# Altium PCB FlightControl.PcbDoc (part 1 of 4) (continued)
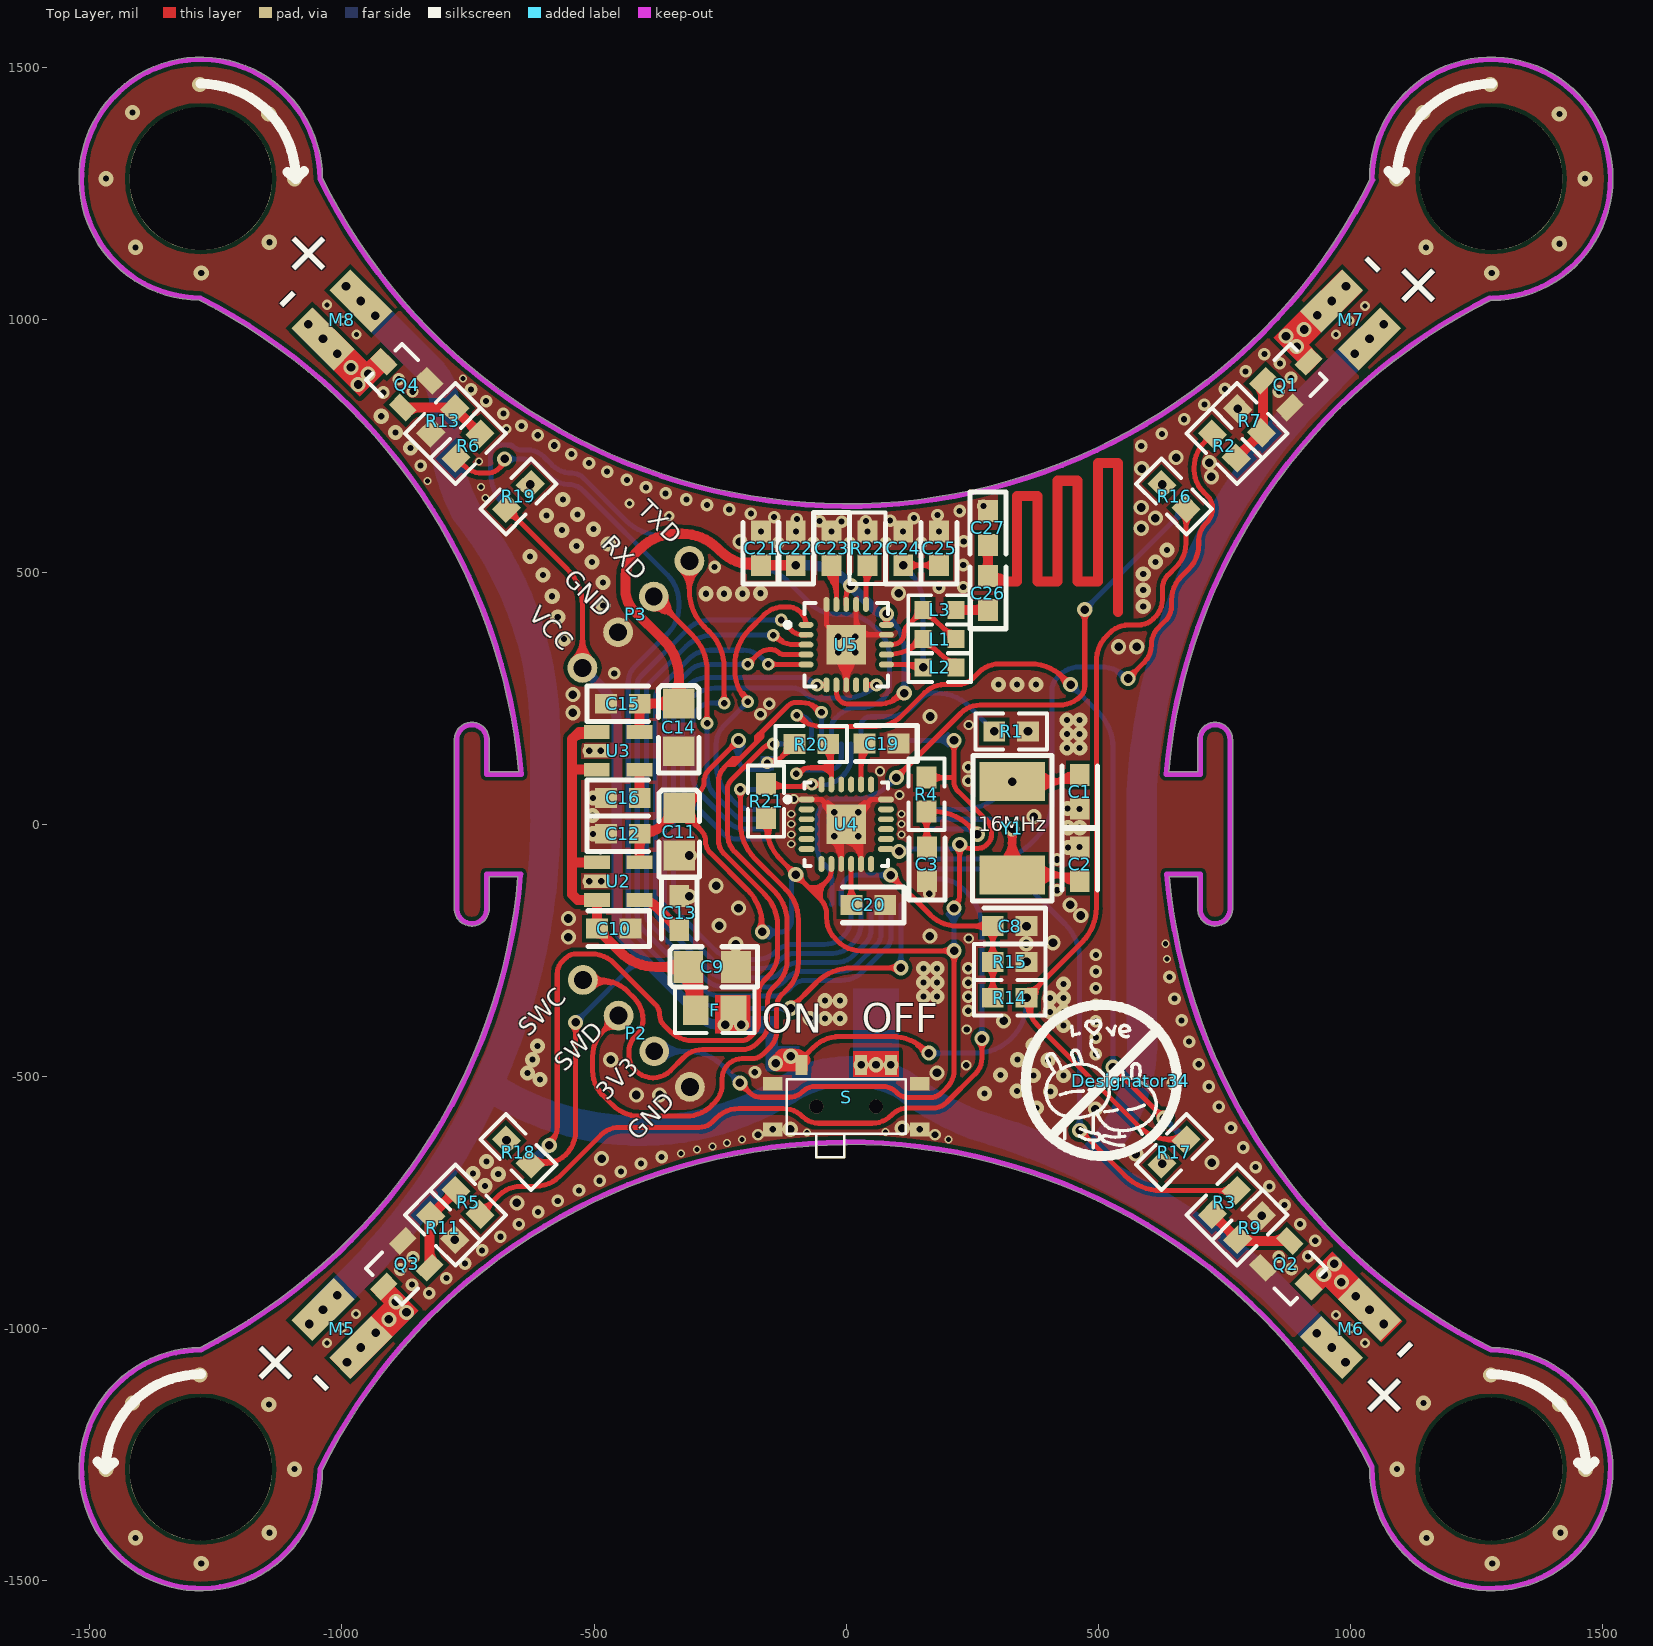
[diagram p0: Top Layer view]
## Footprints (in the part's own frame and the unit in brackets; to place one, negate y for a bottom-side part, rotate by r counter-clockwise, add the part's x,y. Pads: shape width x height; smd on the part's side, far side on the other; paste and mask are expansions set on the pad) (continued)
  silkscreen extent -2.29,-1.02 2.11,1.02, body extent -1.6,-0.8 1.6,0.8, height 1.6
TAN-B-3528 [mm]
  rect 1.5x3 smd: 1(-1.35,0) 2(1.35,0)
TAN-C-6032 [mm]
  rect 1.95x3.3 smd: 1(-2.35,0) 2(2.35,0)
  silkscreen extent -3.68,-2.01 3.66,2
TUSIJI_2 [mil] "TSJ"
  silkscreen extent -168,-155 182,205
TUSIJI_24 [mil] "TSJ"
  silkscreen extent -208,-149 92,151

## Part data
C1 C2 C3 C8 C10 C12 C15 C16 C17 C19 C20 C21 C22 C23 C24 C25 C26 C27 C28 C29 C30: library part Cap, "Capacitor"
C9 C11 C14 C18 C31 C32 C33: library part "Cap Tan", "Polarized Capacitor (Radial)"
DM1 DM2 DM3 DM4: library part "二极管  SOD-323"
F: library part Fuse, "Fuse"
L1 L2 L3: library part Inductor, "Inductor"
LED1 LED2 LED3 LED4: "Typical Chip LED"
M1 M2 M3 M4 M5 M6 M7 M8 P4: library part "Header 2", "Header, 2-Pin"
P2 P3: library part "Header 4", "Header, 4-Pin"
Q1 Q2 Q3 Q4: library part NMOS, "N-Channel Power MOSFET"
R1 R2 R3 R4 R5 R6 R7 R9 R11 R13 R14 R15 R16 R17 R18 R19 R20 R21 R22: library part "Resistor Chip", "Resistor"
S: library part SW-SPDT, "SPDT Subminiature Toggle Switch, Right Angle Mounting, Vertical Actuation"
U1: "STM32 ARM-based 32-bit MCU with 64 Kbytes Flash, 48-pin LQFP, Industrial Temperature"
U2 U3: library part PAM3101
U4: "3-axis gyroscope and 3-axis accelerometer"
Y1: library part XTAL, "Crystal Oscillator"

## Free pads (board coordinates)
  round 283.46 hole 283.46: 1(1279,1280) 2(1279,-1279) 3(-1280,-1279) 4(-1280,1280)

## Via types
v1: diameter 30, hole 17, Top Layer to Bottom Layer, tented both sides, 126 vias
v2: diameter 30, hole 12, Top Layer to Bottom Layer, tented both sides, 112 vias
v3: diameter 25, hole 12, Top Layer to Bottom Layer, tented both sides, 92 vias
v4: diameter 25, hole 13, Top Layer to Bottom Layer, tented both sides, 36 vias
v5: diameter 16, hole 10, Top Layer to Bottom Layer, tented both sides, 22 vias
v6: diameter 20, hole 10, Top Layer to Bottom Layer, tented both sides, 15 vias
v7: diameter 25.98, hole 12.99, Top Layer to Bottom Layer, tented both sides, 8 vias
v8: diameter 20, hole 12, Top Layer to Bottom Layer, tented both sides, 7 vias
v9: diameter 23, hole 13, Top Layer to Bottom Layer, tented both sides, 5 vias
v10: diameter 30, hole 15, Top Layer to Bottom Layer, tented both sides, 3 vias

## Nets (pads, with @x,y where several pads share a name; then routed paths per layer and width w, separated by ;. In a path a pad name is that pad's centre, name@x,y a point inside that pad or via, vN(x,y) a via of type N, cw(c..) or ccw(c..) an arc to the next point about the centre after c; other vN are vias at no path point)
3V3_1: C11.2 C12.2 C17.2 C28.2 C29.2 C30.2 P2.2 R4.1 R20.2 R21.2 U1.9 U1.24 U1.36 U1.48 U2.5 U4.8 U4.13 | length 9092.7
  Top Layer w10: v1(-166.34,-213.66) -166.34,-201.08 ccw(c-266.34,-201.08) -195.63,-130.37 -269.81,-56.19 cw(c-247.62,-34) -279,-34 ccw(c-310.38,-34) -288.18,-11.82 ; R21.2@-159,12.54 -159,0.42 ccw(c-59,0.42) -129.71,-70.29 v1(-100,-100) ; v4(-157,122) ccw(c-157,164.34) -127.06,134.4 ; R20.2@-102.46,159 -127.06,134.4 ; -74,-126 -67.56,-126 ccw(c-67.56,-88.44) -41.04,-115.04 ; -41.02,-115.02 -38,-112 ccw(c-58.45,-91.55) -29.53,-91.55 U4.8@-29.53,-78.74 ; 98.97,-530.97 ccw(c72.44,-557.56) 72.44,-520 -61.86,-520 ccw(c-61.86,-554.14) -85.98,-529.98 cw(c-113.47,-502.53) -113.47,-541.38 -169.36,-541.38 cw(c-169.36,-509.36) -191.98,-532.02 v1(-211,-513) ; 99,-531 100.81,-532.81 ccw(c123,-510.62) 123,-542 166.46,-542 ccw(c166.46,-509.31) 189.58,-532.42 199.15,-522.85 ccw(c163.3,-487) 214,-487 v1(214,-251) 28.87,-251 cw(c28.87,-186.13) -17,-232 -21.68,-227.32 cw(c20.15,-185.5) -39,-185.5 -39,-177.97 ccw(c-79.97,-177.97) -51,-149 ; R4.1@159,92.46 213.13,92.46 ; v1(213.66,-166.34) ccw(c186.29,-138.97) 225,-138.97 v1(225,-40) ccw(c244.01,-20.99) 244.01,-47.87 261,-47.87 ccw(c261,-22.41) 278.99,-40.43 ; v1(213.66,166.34) 213.66,85 ccw(c241.82,85) 221.89,65.11 277.89,9.11 cw(c253.77,-15) 287.87,-15 287.87,-21 cw(c262.42,-21) 280.42,-39 279,-40.42 ; C11.2@-329.03,7.72 cw(c-329.03,-43.74) -292.64,-7.36 ; C11.2@-329.03,7.72 cw(c-329.03,-43.74) -292.64,-7.36 ; C11.2@-329.03,7.72 cw(c-329.03,-43.74) -292.64,-7.36 ; C11.2@-329.03,17.72 cw(c-329.03,-9.6) C11.2@-309.72,9.72 ; C11.2@-329.03,17.72 cw(c-329.03,-9.6) C11.2@-309.72,9.72 ; C11.2@-329.03,17.72 cw(c-329.03,-9.6) C11.2@-309.72,9.72 ; C11.2@-328.46,26.8 ccw(c-332.01,60.5) -299.28,51.73 ; C11.2@-328.46,26.8 ccw(c-332.01,60.5) -299.28,51.73 ; C11.2@-328.46,26.8 ccw(c-332.01,60.5) -299.28,51.73 ; C11.2@-327.04,37.34 cw(c-343.68,-5.28) -298.91,4.14 ; C11.2@-327.04,37.34 cw(c-343.68,-5.28) -298.91,4.14 ; C11.2@-327.04,37.34 cw(c-343.68,-5.28) -298.91,4.14 ; C11.2@-325.49,46.33 ccw(c-319.53,70.03) C11.2@-302.25,52.75 ; C11.2@-325.49,46.33 ccw(c-319.53,70.03) C11.2@-302.25,52.75 ; C11.2@-325.49,46.33 ccw(c-319.53,70.03) C11.2@-302.25,52.75 ; C11.2@-323.05,56.03 ccw(c-314.52,89.96) -289.78,65.22 ; C11.2@-323.05,56.03 ccw(c-314.52,89.96) -289.78,65.22 ; C11.2@-323.05,56.03 ccw(c-314.52,89.96) -289.78,65.22 ; C11.2@-314.53,31.45 ccw(c-278.57,29.49) C11.2@-304.03,4.03 ; C11.2@-314.53,31.45 ccw(c-278.57,29.49) C11.2@-304.03,4.03 ; C11.2@-314.53,31.45 ccw(c-278.57,29.49) C11.2@-304.03,4.03 ; C11.2@-304.54,30.91 ccw(c-248.53,27.86) -288.19,-11.81 ; C11.2@-304.54,30.91 ccw(c-248.53,27.86) -288.19,-11.81 ; C11.2@-304.54,30.91 ccw(c-248.53,27.86) -288.19,-11.81 ; C11.2@-304.5,32.24 cw(c-260.44,32.24) -291.6,63.4 ; C11.2@-304.5,32.24 cw(c-260.44,32.24) -291.6,63.4 ; C11.2@-304.5,32.24 cw(c-260.44,32.24) -291.6,63.4 ; -289.78,65.22 ccw(c-308.56,84) -282,84 cw(c-248.2,84) -272.11,107.89 v1(-213.66,166.34) ; -289.78,65.22 -324,31 -331,31 -288.19,-11.81 ; -230.73,149.27 ccw(c-247.8,166.34) v1@-223.66,166.34 ; -230.73,149.27 cw(c-213.66,132.2) v1@-213.66,156.34 ; -230.73,149.27 ccw(c-247.8,166.34) v1@-223.66,166.34 ; -230.73,149.27 cw(c-213.66,132.2) v1@-213.66,156.34 ; -230.73,149.27 ccw(c-247.8,166.34) v1@-223.66,166.34 ; -230.73,149.27 cw(c-213.66,132.2) v1@-213.66,156.34 ; -227.04,153.74 cw(c-210.16,149.22) v1(-213.66,166.34) ; -227.04,153.74 cw(c-210.16,149.22) v1(-213.66,166.34) ; -227.04,153.74 cw(c-210.16,149.22) v1(-213.66,166.34) ; -226.26,152.96 ccw(c-230.78,169.84) v1(-213.66,166.34) ; -226.26,152.96 ccw(c-230.78,169.84) v1(-213.66,166.34) ; -226.26,152.96 ccw(c-230.78,169.84) v1(-213.66,166.34) ; v1@-211,-523 cw(c-211,-547.14) -193.93,-530.07 ; v1@-211,-523 cw(c-211,-547.14) -193.93,-530.07 ; v1@-211,-523 cw(c-211,-547.14) -193.93,-530.07 ; v1(-211,-513) ccw(c-193.88,-509.49) -198.4,-526.38 ; v1(-211,-513) cw(c-214.51,-530.12) -197.62,-525.6 ; v1(-211,-513) ccw(c-193.88,-509.49) -198.4,-526.38 ; v1(-211,-513) cw(c-214.51,-530.12) -197.62,-525.6 ; v1(-211,-513) ccw(c-193.88,-509.49) -198.4,-526.38 ; v1(-211,-513) cw(c-214.51,-530.12) -197.62,-525.6 ; v1@-201,-513 ccw(c-176.86,-513) -193.93,-530.07 ; v1@-201,-513 ccw(c-176.86,-513) -193.93,-530.07 ; v1@-201,-513 ccw(c-176.86,-513) -193.93,-530.07 ; v1@-174.46,-207.83 ccw(c-199.73,-189.69) -169.04,-184.65 ; v1@-174.46,-207.83 ccw(c-199.73,-189.69) -169.04,-184.65 ; v1@-174.46,-207.83 ccw(c-199.73,-189.69) -169.04,-184.65 ; -167.44,-194.37 ccw(c-150.49,-191.58) v1@-160.51,-205.54 ; -167.44,-194.37 ccw(c-150.49,-191.58) v1@-160.51,-205.54 ; -167.44,-194.37 ccw(c-150.49,-191.58) v1@-160.51,-205.54 ; R21.2@-167.13,-1.66 cw(c-182.95,-25.49) -154.91,-19.83 ; R21.2@-167.13,-1.66 cw(c-182.95,-25.49) -154.91,-19.83 ; R21.2@-167.13,-1.66 cw(c-182.95,-25.49) -154.91,-19.83 ; v4@-153.25,128.5 ccw(c-144.2,144.18) -139.51,126.69 ; v4@-153.25,128.5 ccw(c-144.2,144.18) -139.51,126.69 ; v4@-153.25,128.5 ccw(c-144.2,144.18) -139.51,126.69 ; -153,-29.33 cw(c-111.53,-20.96) R21.2@-146.77,2.44 ; -153,-29.33 cw(c-111.53,-20.96) R21.2@-146.77,2.44 ; -153,-29.33 cw(c-111.53,-20.96) R21.2@-146.77,2.44 ; v4@-150.5,118.25 cw(c-134.82,109.2) -139.51,126.69 ; v4@-150.5,118.25 cw(c-134.82,109.2) -139.51,126.69 ; v4@-150.5,118.25 cw(c-134.82,109.2) -139.51,126.69 ; -127.06,134.4 ccw(c-146.89,154.23) R20.2@-119.03,157.36 ; -127.06,134.4 ccw(c-146.89,154.23) R20.2@-119.03,157.36 ; -127.06,134.4 ccw(c-146.89,154.23) R20.2@-119.03,157.36 ; -126.14,135.32 cw(c-104.43,113.61) R20.2@-104.43,144.32 ; -126.14,135.32 cw(c-104.43,113.61) R20.2@-104.43,144.32 ; -126.14,135.32 cw(c-104.43,113.61) R20.2@-104.43,144.32 ; -117.07,-82.93 ccw(c-100,-65.86) v1@-100,-90 ; -117.07,-82.93 cw(c-134.14,-100) v1@-110,-100 ; -117.07,-82.93 ccw(c-100,-65.86) v1@-100,-90 ; -117.07,-82.93 cw(c-134.14,-100) v1@-110,-100 ; -117.07,-82.93 ccw(c-100,-65.86) v1@-100,-90 ; -117.07,-82.93 cw(c-134.14,-100) v1@-110,-100 ; -113.38,-87.4 ccw(c-96.49,-82.88) v1(-100,-100) ; -113.38,-87.4 ccw(c-96.49,-82.88) v1(-100,-100) ; -113.38,-87.4 ccw(c-96.49,-82.88) v1(-100,-100) ; -112.6,-86.62 cw(c-117.12,-103.51) v1(-100,-100) ; -112.6,-86.62 cw(c-117.12,-103.51) v1(-100,-100) ; -112.6,-86.62 cw(c-117.12,-103.51) v1(-100,-100) ; v1@-100,-110 cw(c-100,-134.14) -82.93,-117.07 ; v1@-100,-110 cw(c-100,-134.14) -82.93,-117.07 ; v1@-100,-110 cw(c-100,-134.14) -82.93,-117.07 ; v1(-100,-100) ccw(c-82.88,-96.49) -87.4,-113.38 ; v1(-100,-100) cw(c-103.51,-117.12) -86.62,-112.6 ; v1(-100,-100) ccw(c-82.88,-96.49) -87.4,-113.38 ; v1(-100,-100) cw(c-103.51,-117.12) -86.62,-112.6 ; v1(-100,-100) ccw(c-82.88,-96.49) -87.4,-113.38 ; v1(-100,-100) cw(c-103.51,-117.12) -86.62,-112.6 ; v1(-100,-100) -63,-137 ; v1@-90,-100 ccw(c-65.86,-100) -82.93,-117.07 ; v1@-90,-100 ccw(c-65.86,-100) -82.93,-117.07 ; v1@-90,-100 ccw(c-65.86,-100) -82.93,-117.07 ; -63,-137 -51,-149 ; -63,-137 -41.03,-115.03 ; -51,-149 -51,-139.14 cw(c-16.86,-139.14) -41.04,-115.04 ; R4.1@169.38,82.08 cw(c194.45,57.01) 194.45,92.46 ; R4.1@169.38,82.08 cw(c194.45,57.01) 194.45,92.46 ; R4.1@169.38,82.08 cw(c194.45,57.01) 194.45,92.46 ; R4.1@169.38,102.85 ccw(c194.45,127.92) 194.45,92.46 ; R4.1@169.38,102.85 ccw(c194.45,127.92) 194.45,92.46 ; R4.1@169.38,102.85 ccw(c194.45,127.92) 194.45,92.46 ; 189.86,-251 ccw(c189.86,-226.86) v1@206.93,-243.93 ; 189.86,-251 cw(c189.86,-275.14) v1@206.93,-258.07 ; 189.86,-251 ccw(c189.86,-226.86) v1@206.93,-243.93 ; 189.86,-251 cw(c189.86,-275.14) v1@206.93,-258.07 ; 189.86,-251 ccw(c189.86,-226.86) v1@206.93,-243.93 ; 189.86,-251 cw(c189.86,-275.14) v1@206.93,-258.07 ; v1@206.59,159.27 cw(c189.52,142.2) 213.66,142.2 ; v1@206.59,159.27 cw(c189.52,142.2) 213.66,142.2 ; v1@206.59,159.27 cw(c189.52,142.2) 213.66,142.2 ; v1@206.93,-258.07 cw(c189.86,-275.14) 214,-275.14 ; v1@206.93,-258.07 cw(c189.86,-275.14) 214,-275.14 ; v1@206.93,-258.07 cw(c189.86,-275.14) 214,-275.14 ; v1@212.45,-156.41 ccw(c210.63,-141.45) 223.68,-148.99 ; v1@212.45,-156.41 ccw(c210.63,-141.45) 223.68,-148.99 ; v1@212.45,-156.41 ccw(c210.63,-141.45) 223.68,-148.99 ; 213.66,142.2 cw(c237.8,142.2) v1@220.73,159.27 ; 213.66,142.2 cw(c237.8,142.2) v1@220.73,159.27 ; 213.66,142.2 cw(c237.8,142.2) v1@220.73,159.27 ; 214,-275.14 cw(c238.14,-275.14) v1@221.07,-258.07 ; 214,-275.14 cw(c238.14,-275.14) v1@221.07,-258.07 ; 214,-275.14 cw(c238.14,-275.14) v1@221.07,-258.07 ; v1@217.93,-47.07 cw(c200.86,-64.14) 225,-64.14 ; v1@217.93,-47.07 cw(c200.86,-64.14) 225,-64.14 ; v1@217.93,-47.07 cw(c200.86,-64.14) 225,-64.14 ; v1@222.86,-162.42 cw(c236.74,-156.52) 223.68,-148.99 ; v1@222.86,-162.42 cw(c236.74,-156.52) 223.68,-148.99 ; v1@222.86,-162.42 cw(c236.74,-156.52) 223.68,-148.99 ; 225,-64.14 cw(c249.14,-64.14) v1@232.07,-47.07 ; 225,-64.14 cw(c249.14,-64.14) v1@232.07,-47.07 ; 225,-64.14 cw(c249.14,-64.14) v1@232.07,-47.07 ; C11.2@-334.44,31.4 ccw(c-298.82,36.94) -308.15,2.12 cw(c-298.82,36.94) C11.2@-334.44,31.4
  Top Layer w20: U2.5@-409.68,-75.6 C12.2@-409.68,-19.14 ; C12.2@-409.54,-19 ccw(c-409.54,49.89) -369.2,-5.96 ccw(c-409.54,49.89) -360.83,1.17 ; C11.2@-331,31 -360.83,1.17 ; C12.2@-416.38,-25.85 cw(c-432.57,-42.04) -409.68,-42.04 ; C12.2@-416.38,-25.85 cw(c-432.57,-42.04) -409.68,-42.04 ; C12.2@-416.38,-25.85 cw(c-432.57,-42.04) -409.68,-42.04 ; -409.68,-42.72 cw(c-385.81,-42.72) C12.2@-402.69,-25.85 ; -409.68,-42.72 cw(c-385.81,-42.72) C12.2@-402.69,-25.85 ; -409.68,-42.72 cw(c-385.81,-42.72) C12.2@-402.69,-25.85 ; C12.2@-402.72,-10.61 ccw(c-391.9,8.13) -386.3,-12.77 ; C12.2@-402.72,-10.61 ccw(c-391.9,8.13) -386.3,-12.77 ; C12.2@-402.72,-10.61 ccw(c-391.9,8.13) -386.3,-12.77 ; C12.2@-399.18,-23.84 cw(c-377.42,-36.4) -383.93,-12.14 ; C12.2@-399.18,-23.84 cw(c-377.42,-36.4) -383.93,-12.14 ; C12.2@-399.18,-23.84 cw(c-377.42,-36.4) -383.93,-12.14 ; -360.83,1.17 ccw(c-382.89,23.23) C11.2@-352.19,28.78 ; -360.83,1.17 ccw(c-382.89,23.23) C11.2@-352.19,28.78 ; -360.83,1.17 ccw(c-382.89,23.23) C11.2@-352.19,28.78 ; -360.82,1.18 cw(c-332.97,-26.67) C11.2@-332.97,12.72 ; -360.82,1.18 cw(c-332.97,-26.67) C11.2@-332.97,12.72 ; -360.82,1.18 cw(c-332.97,-26.67) C11.2@-332.97,12.72
  Bottom Layer w10: P2.2@-380.71,-450.29 -315.13,-450.29 cw(c-315.13,-550.29) -244.42,-479.58 v1(-211,-513) ; v1(-213.66,166.34) -213.66,129.43 ccw(c-192.5,129.43) -207.46,114.47 ccw(c-192.5,129.43) U1.36@-192.5,108.27 ; v1(-166.34,-213.66) -131.13,-213.66 ; U1.36@-159.45,108.27 U1.36@-192.5,108.27 ; v1(-100,-100) -108.27,-108.27 U1.24@-108.27,-159.45 -108.27,-190.8 cw(c-131.13,-190.8) -114.97,-206.96 cw(c-131.13,-190.8) -131.13,-213.66 ; v1(105,-54) cw(c116.56,-65.56) 116.56,-49.21 U1.9@159.45,-49.21 202.76,-49.21 ccw(c202.76,-17.76) v1(225,-40) ; U1.48@108.27,159.45 115.16,166.34 v1(213.66,166.34) ; v1(213.66,-166.34) 213.66,-250.66 v1(214,-251) ; P2.2@-370.44,-460.56 cw(c-345.64,-485.36) -345.64,-450.29 ; P2.2@-370.44,-460.56 cw(c-345.64,-485.36) -345.64,-450.29 ; P2.2@-370.44,-460.56 cw(c-345.64,-485.36) -345.64,-450.29 ; P2.2@-370.44,-440.02 ccw(c-345.64,-415.22) -345.64,-450.29 ; P2.2@-370.44,-440.02 ccw(c-345.64,-415.22) -345.64,-450.29 ; P2.2@-370.44,-440.02 ccw(c-345.64,-415.22) -345.64,-450.29 ; P2.2@-363.37,-467.63 cw(c-321.5,-509.5) -321.5,-450.29 ; P2.2@-363.37,-467.63 cw(c-321.5,-509.5) -321.5,-450.29 ; P2.2@-363.37,-467.63 cw(c-321.5,-509.5) -321.5,-450.29 ; P2.2@-363.37,-432.95 ccw(c-321.5,-391.08) -321.5,-450.29 ; P2.2@-363.37,-432.95 ccw(c-321.5,-391.08) -321.5,-450.29 ; P2.2@-363.37,-432.95 ccw(c-321.5,-391.08) -321.5,-450.29 ; -228.07,-495.93 ccw(c-211,-478.86) v1@-211,-503 ; -228.07,-495.93 cw(c-245.14,-513) v1@-221,-513 ; -228.07,-495.93 ccw(c-211,-478.86) v1@-211,-503 ; -228.07,-495.93 cw(c-245.14,-513) v1@-221,-513 ; -228.07,-495.93 ccw(c-211,-478.86) v1@-211,-503 ; -228.07,-495.93 cw(c-245.14,-513) v1@-221,-513 ; C30.2@-224.75,153.92 cw(c-246.31,129.4) -213.66,129.4 ; C30.2@-224.75,153.92 cw(c-246.31,129.4) -213.66,129.4 ; C30.2@-224.75,153.92 cw(c-246.31,129.4) -213.66,129.4 ; C30.2@-220.73,159.27 cw(c-237.8,142.2) C30.2@-213.66,142.2 ; C30.2@-220.73,159.27 cw(c-237.8,142.2) C30.2@-213.66,142.2 ; C30.2@-220.73,159.27 cw(c-237.8,142.2) C30.2@-213.66,142.2 ; -213.66,132.85 cw(c-182.96,132.85) C30.2@-204.67,154.56 ; -213.66,132.85 cw(c-182.96,132.85) C30.2@-204.67,154.56 ; -213.66,132.85 cw(c-182.96,132.85) C30.2@-204.67,154.56 ; C30.2@-213.66,142.2 cw(c-189.52,142.2) C30.2@-206.59,159.27 ; C30.2@-213.66,142.2 cw(c-189.52,142.2) C30.2@-206.59,159.27 ; C30.2@-213.66,142.2 cw(c-189.52,142.2) C30.2@-206.59,159.27 ; U1.36@-192.5,108.27 ccw(c-192.5,141.07) v4@-163.61,125.55 ; U1.36@-192.5,108.27 ccw(c-192.5,141.07) v4@-163.61,125.55 ; U1.36@-192.5,108.27 ccw(c-192.5,141.07) v4@-163.61,125.55 ; U1.36@-175.78,108.27 ccw(c-175.78,132.09) v4@-154.8,120.82 ; U1.36@-175.78,108.27 ccw(c-175.78,132.09) v4@-154.8,120.82 ; U1.36@-175.78,108.27 ccw(c-175.78,132.09) v4@-154.8,120.82 ; U1.36@-175.54,112.86 cw(c-166.37,104.23) v4@-160.5,115.37 ; U1.36@-175.54,112.86 cw(c-166.37,104.23) v4@-160.5,115.37 ; U1.36@-175.54,112.86 cw(c-166.37,104.23) v4@-160.5,115.37 ; C28.2@-159.27,-220.73 cw(c-142.2,-237.8) C28.2@-142.2,-213.66 ; C28.2@-159.27,-220.73 cw(c-142.2,-237.8) C28.2@-142.2,-213.66 ; C28.2@-159.27,-220.73 cw(c-142.2,-237.8) C28.2@-142.2,-213.66 ; C28.2@-159.27,-206.59 ccw(c-142.2,-189.52) C28.2@-142.2,-213.66 ; C28.2@-159.27,-206.59 ccw(c-142.2,-189.52) C28.2@-142.2,-213.66 ; C28.2@-159.27,-206.59 ccw(c-142.2,-189.52) C28.2@-142.2,-213.66 ; U1.36@-159.06,108.27 ccw(c-159.06,123.11) -145.99,116.09 ; U1.36@-159.06,108.27 ccw(c-159.06,123.11) -145.99,116.09 ; U1.36@-159.06,108.27 ccw(c-159.06,123.11) -145.99,116.09 ; U1.36@-158.56,108.44 cw(c-144.86,111.03) v4@-155.02,120.58 ; U1.36@-158.56,108.44 cw(c-144.86,111.03) v4@-155.02,120.58 ; U1.36@-158.56,108.44 cw(c-144.86,111.03) v4@-155.02,120.58 ; C28.2@-154.56,-204.67 ccw(c-132.85,-182.96) -132.85,-213.66 ; C28.2@-154.56,-204.67 ccw(c-132.85,-182.96) -132.85,-213.66 ; C28.2@-154.56,-204.67 ccw(c-132.85,-182.96) -132.85,-213.66 ; C28.2@-153.56,-224.32 cw(c-131.13,-242.57) -131.13,-213.66 ; C28.2@-153.56,-224.32 cw(c-131.13,-242.57) -131.13,-213.66 ; C28.2@-153.56,-224.32 cw(c-131.13,-242.57) -131.13,-213.66 ; U1.48@108.91,158.81 cw(c127.09,140.63) 127.09,166.34 ; U1.48@108.91,158.81 cw(c127.09,140.63) 127.09,166.34 ; U1.48@108.91,158.81 cw(c127.09,140.63) 127.09,166.34 ; 173.46,166.34 ccw(c173.46,206.54) C17.2@201.89,178.11 ; 173.46,166.34 ccw(c173.46,206.54) C17.2@201.89,178.11 ; 173.46,166.34 ccw(c173.46,206.54) C17.2@201.89,178.11 ; 180.18,166.34 cw(c180.18,135.64) C17.2@201.89,157.35 ; 180.18,166.34 cw(c180.18,135.64) C17.2@201.89,157.35 ; 180.18,166.34 cw(c180.18,135.64) C17.2@201.89,157.35 ; C17.2@189.52,166.34 ccw(c189.52,190.48) C17.2@206.59,173.41 ; C17.2@189.52,166.34 cw(c189.52,142.2) C17.2@206.59,159.27 ; C17.2@189.52,166.34 ccw(c189.52,190.48) C17.2@206.59,173.41 ; C17.2@189.52,166.34 cw(c189.52,142.2) C17.2@206.59,159.27 ; C17.2@189.52,166.34 ccw(c189.52,190.48) C17.2@206.59,173.41 ; C17.2@189.52,166.34 cw(c189.52,142.2) C17.2@206.59,159.27 ; C29.2@201.89,-178.11 cw(c173.46,-206.54) 213.66,-206.54 ; C29.2@201.89,-178.11 cw(c173.46,-206.54) 213.66,-206.54 ; C29.2@201.89,-178.11 cw(c173.46,-206.54) 213.66,-206.54 ; C29.2@206.59,-173.41 cw(c189.52,-190.48) C29.2@213.66,-190.48 ; C29.2@206.59,-173.41 cw(c189.52,-190.48) C29.2@213.66,-190.48 ; C29.2@206.59,-173.41 cw(c189.52,-190.48) C29.2@213.66,-190.48 ; v1@206.93,-243.93 ccw(c190.67,-227.67) 213.66,-227.67 ; v1@206.93,-243.93 ccw(c190.67,-227.67) 213.66,-227.67 ; v1@206.93,-243.93 ccw(c190.67,-227.67) 213.66,-227.67 ; 213.66,-226.04 ccw(c238.96,-226.04) v1@221.07,-243.93 ; 213.66,-226.04 ccw(c238.96,-226.04) v1@221.07,-243.93 ; 213.66,-226.04 ccw(c238.96,-226.04) v1@221.07,-243.93 ; 213.66,-199.82 cw(c244.36,-199.82) C29.2@222.65,-178.11 ; 213.66,-199.82 cw(c244.36,-199.82) C29.2@222.65,-178.11 ; 213.66,-199.82 cw(c244.36,-199.82) C29.2@222.65,-178.11 ; C29.2@213.66,-190.48 cw(c237.8,-190.48) C29.2@220.73,-173.41 ; C29.2@213.66,-190.48 cw(c237.8,-190.48) C29.2@220.73,-173.41 ; C29.2@213.66,-190.48 cw(c237.8,-190.48) C29.2@220.73,-173.41
3V3_2: C14.2 C15.2 C21.1 C22.1 U3.5 U5.7 U5.15 U5.18 | length 3009.8
  Top Layer w10: U5.7@-19.68,276.28 -19.68,263.07 ccw(c5.38,263.07) -12.34,245.34 ccw(c5.38,263.07) 5.38,238 61.89,238 ccw(c61.89,313.11) v1(115,260) ; U5.18@0,435.72 0,451.27 cw(c30.73,451.27) v1(9,473) ; v1@79.72,416.72 U5.15@79.72,395.37 ; v1@0.73,467.37 cw(c-5.63,463.04) 1.04,459.2 ; v1@0.73,467.37 cw(c-5.63,463.04) 1.04,459.2 ; v1@0.73,467.37 cw(c-5.63,463.04) 1.04,459.2 ; 1.04,459.2 cw(c7.7,455.36) v1@8.26,463.03 ; 1.04,459.2 cw(c7.7,455.36) v1@8.26,463.03 ; 1.04,459.2 cw(c7.7,455.36) v1@8.26,463.03 ; v1@73.36,409.52 cw(c60.8,395.37) U5.15@79.72,395.37 ; v1@73.36,409.52 cw(c60.8,395.37) U5.15@79.72,395.37 ; v1@73.36,409.52 cw(c60.8,395.37) U5.15@79.72,395.37 ; U5.15@79.72,395.37 cw(c97.63,395.37) v1@86.32,409.25 ; U5.15@79.72,395.37 cw(c97.63,395.37) v1@86.32,409.25 ; U5.15@79.72,395.37 cw(c97.63,395.37) v1@86.32,409.25 ; 94.09,247.93 ccw(c82.02,268.84) v1@105.34,262.59 ; 94.09,247.93 cw(c106.16,227.02) v1@112.41,250.34 ; 94.09,247.93 ccw(c82.02,268.84) v1@105.34,262.59 ; 94.09,247.93 cw(c106.16,227.02) v1@112.41,250.34 ; 94.09,247.93 ccw(c82.02,268.84) v1@105.34,262.59 ; 94.09,247.93 cw(c106.16,227.02) v1@112.41,250.34
  Top Layer w20: -421.19,424 -361.29,364.1 cw(c-432,293.39) -332,293.39 C14.2@-332,239.24 ; -421.22,424.03 cw(c-380.61,464.58) -438,464.58 -438,487 cw(c-365.57,487) -416.79,538.21 -408.29,546.71 cw(c-337.58,476) -337.58,576 -325.42,576 cw(c-325.42,476) -254.71,546.71 -250.83,542.83 ccw(c-180.11,613.54) -180.11,513.54 C21.1@-169,513.54 v1(-100,513.54) ; U3.5@-410,183 C15.2@-410,238.54 ; C15.2@-409.54,239 C14.2@-332.24,239 ; C15.2@-416.38,232.15 cw(c-431.8,216.74) -410,216.74 ; C15.2@-416.38,232.15 cw(c-431.8,216.74) -410,216.74 ; C15.2@-416.38,232.15 cw(c-431.8,216.74) -410,216.74 ; -410,214.5 cw(c-385.03,214.5) C15.2@-402.69,232.15 ; -410,214.5 cw(c-385.03,214.5) C15.2@-402.69,232.15 ; -410,214.5 cw(c-385.03,214.5) C15.2@-402.69,232.15 ; C15.2@-400.72,232.15 cw(c-384.19,215.62) -384.19,239 ; C15.2@-400.72,232.15 cw(c-384.19,215.62) -384.19,239 ; C15.2@-400.72,232.15 cw(c-384.19,215.62) -384.19,239 ; C15.2@-400.72,245.85 ccw(c-384.19,262.38) -384.19,239 ; C15.2@-400.72,245.85 ccw(c-384.19,262.38) -384.19,239 ; C15.2@-400.72,245.85 ccw(c-384.19,262.38) -384.19,239 ; -381.7,239 ccw(c-381.7,286.98) C14.2@-347.78,253.05 ; -381.7,239 ccw(c-381.7,286.98) C14.2@-347.78,253.05 ; -381.7,239 ccw(c-381.7,286.98) C14.2@-347.78,253.05 ; -380.52,239 cw(c-380.52,192.69) C14.2@-347.78,225.44 ; -380.52,239 cw(c-380.52,192.69) C14.2@-347.78,225.44 ; -380.52,239 cw(c-380.52,192.69) C14.2@-347.78,225.44 ; C14.2@-345.81,253.05 ccw(c-379.14,286.39) -332,286.39 ; C14.2@-345.81,253.05 ccw(c-379.14,286.39) -332,286.39 ; C14.2@-345.81,253.05 ccw(c-379.14,286.39) -332,286.39 ; -332,286.39 ccw(c-284.86,286.39) C14.2@-318.19,253.05 ; -332,286.39 ccw(c-284.86,286.39) C14.2@-318.19,253.05 ; -332,286.39 ccw(c-284.86,286.39) C14.2@-318.19,253.05 ; -203.96,519.93 ccw(c-193.69,558.27) C21.1@-173.84,523.89 ; -203.96,519.93 ccw(c-193.69,558.27) C21.1@-173.84,523.89 ; -203.96,519.93 ccw(c-193.69,558.27) C21.1@-173.84,523.89 ; C21.1@-162.15,506.69 cw(c-145.62,490.15) -145.62,513.54 ; C21.1@-162.15,506.69 cw(c-145.62,490.15) -145.62,513.54 ; C21.1@-162.15,506.69 cw(c-145.62,490.15) -145.62,513.54 ; C21.1@-162.15,520.38 ccw(c-145.62,536.92) -145.62,513.54 ; C21.1@-162.15,520.38 ccw(c-145.62,536.92) -145.62,513.54 ; C21.1@-162.15,520.38 ccw(c-145.62,536.92) -145.62,513.54 ; -123.38,513.54 ccw(c-123.38,536.92) C22.1@-106.85,520.38 ; -123.38,513.54 cw(c-123.38,490.15) C22.1@-106.85,506.69 ; -123.38,513.54 ccw(c-123.38,536.92) C22.1@-106.85,520.38 ; -123.38,513.54 cw(c-123.38,490.15) C22.1@-106.85,506.69 ; -123.38,513.54 ccw(c-123.38,536.92) C22.1@-106.85,520.38 ; -123.38,513.54 cw(c-123.38,490.15) C22.1@-106.85,506.69
  Bottom Layer w10: v1(115,260) 115,340.58 ccw(c15,340.58) 85.71,411.29 v1(80,417) ; v1@77.88,407.23 cw(c71.52,377.92) 96.74,394.15 ; v1@77.88,407.23 cw(c71.52,377.92) 96.74,394.15 ; v1@77.88,407.23 cw(c71.52,377.92) 96.74,394.15 ; v1(80,417) ccw(c92.29,414.03) 86.5,402.79 ; v1(80,417) ccw(c92.29,414.03) 86.5,402.79 ; v1(80,417) ccw(c92.29,414.03) 86.5,402.79 ; v1@89.77,414.88 ccw(c107.65,411) 92.27,401.1 ; v1@89.77,414.88 ccw(c107.65,411) 92.27,401.1 ; v1@89.77,414.88 ccw(c107.65,411) 92.27,401.1 ; v1@107.93,267.07 ccw(c90.86,284.14) 115,284.14 ; v1@107.93,267.07 ccw(c90.86,284.14) 115,284.14 ; v1@107.93,267.07 ccw(c90.86,284.14) 115,284.14 ; 115,284.14 ccw(c139.14,284.14) v1@122.07,267.07 ; 115,284.14 ccw(c139.14,284.14) v1@122.07,267.07 ; 115,284.14 ccw(c139.14,284.14) v1@122.07,267.07
  Bottom Layer w20: v1(-100,513.54) -72.96,513.54 cw(c-72.96,413.54) -2.25,484.25 v1(9,473) 54.39,427.61 ccw(c80,453.21) v1(80,417) ; -8,487.57 cw(c-21.07,464.94) v1@4.17,471.71 ; -8,487.57 cw(c-21.07,464.94) v1@4.17,471.71 ; -8,487.57 cw(c-21.07,464.94) v1@4.17,471.71
ADC: C8.2 R14.2 R15.1 U1.19 | length 1705.2
  Top Layer w10: R14.2@290.53,-344 R15.1@290.53,-273 C8.2@290.53,-202 220,-202 cw(c220,-127.16) 167.08,-180.08 v1(88,-101) ; v1@88,-111 cw(c88,-135.14) 105.07,-118.07 ; v1@88,-111 cw(c88,-135.14) 105.07,-118.07 ; v1@88,-111 cw(c88,-135.14) 105.07,-118.07 ; v1(88,-101) ccw(c105.12,-97.49) 100.6,-114.38 ; v1(88,-101) cw(c84.49,-118.12) 101.38,-113.6 ; v1(88,-101) ccw(c105.12,-97.49) 100.6,-114.38 ; v1(88,-101) cw(c84.49,-118.12) 101.38,-113.6 ; v1(88,-101) ccw(c105.12,-97.49) 100.6,-114.38 ; v1(88,-101) cw(c84.49,-118.12) 101.38,-113.6 ; v1@98,-101 ccw(c122.14,-101) 105.07,-118.07 ; v1@98,-101 ccw(c122.14,-101) 105.07,-118.07 ; v1@98,-101 ccw(c122.14,-101) 105.07,-118.07 ; 253.11,-202 ccw(c253.11,-166.55) C8.2@278.18,-191.62 ; 253.11,-202 cw(c253.11,-237.45) C8.2@278.18,-212.38 ; 253.11,-202 ccw(c253.11,-166.55) C8.2@278.18,-191.62 ; 253.11,-202 cw(c253.11,-237.45) C8.2@278.18,-212.38 ; 253.11,-202 ccw(c253.11,-166.55) C8.2@278.18,-191.62 ; 253.11,-202 cw(c253.11,-237.45) C8.2@278.18,-212.38 ; R14.2@280.15,-333.62 ccw(c255.08,-308.55) 290.53,-308.55 ; R14.2@280.15,-333.62 ccw(c255.08,-308.55) 290.53,-308.55 ; R14.2@280.15,-333.62 ccw(c255.08,-308.55) 290.53,-308.55 ; R15.1@280.15,-283.38 cw(c255.08,-308.45) 290.53,-308.45 ; R15.1@280.15,-283.38 cw(c255.08,-308.45) 290.53,-308.45 ; R15.1@280.15,-283.38 cw(c255.08,-308.45) 290.53,-308.45 ; R15.1@280.15,-262.62 ccw(c255.08,-237.55) 290.53,-237.55 ; R15.1@280.15,-262.62 ccw(c255.08,-237.55) 290.53,-237.55 ; R15.1@280.15,-262.62 ccw(c255.08,-237.55) 290.53,-237.55 ; C8.2@280.15,-212.38 cw(c255.08,-237.45) 290.53,-237.45 ; C8.2@280.15,-212.38 cw(c255.08,-237.45) 290.53,-237.45 ; C8.2@280.15,-212.38 cw(c255.08,-237.45) 290.53,-237.45 ; 290.53,-308.55 ccw(c325.99,-308.55) R14.2@300.92,-333.62 ; 290.53,-308.55 ccw(c325.99,-308.55) R14.2@300.92,-333.62 ; 290.53,-308.55 ccw(c325.99,-308.55) R14.2@300.92,-333.62 ; 290.53,-308.45 cw(c325.99,-308.45) R15.1@300.92,-283.38 ; 290.53,-308.45 cw(c325.99,-308.45) R15.1@300.92,-283.38 ; 290.53,-308.45 cw(c325.99,-308.45) R15.1@300.92,-283.38 ; 290.53,-237.55 ccw(c325.99,-237.55) R15.1@300.92,-262.62 ; 290.53,-237.55 ccw(c325.99,-237.55) R15.1@300.92,-262.62 ; 290.53,-237.55 ccw(c325.99,-237.55) R15.1@300.92,-262.62 ; 290.53,-237.45 cw(c325.99,-237.45) C8.2@300.92,-212.38 ; 290.53,-237.45 cw(c325.99,-237.45) C8.2@300.92,-212.38 ; 290.53,-237.45 cw(c325.99,-237.45) C8.2@300.92,-212.38
  Bottom Layer w10: U1.19@-9.84,-159.45 -9.84,-132.93 cw(c23.93,-132.93) 0.04,-109.07 cw(c19.49,-128.49) 19.49,-101 v1(88,-101) ; 63.86,-101 ccw(c63.86,-76.86) v1@80.93,-93.93 ; 63.86,-101 cw(c63.86,-125.14) v1@80.93,-108.07 ; 63.86,-101 ccw(c63.86,-76.86) v1@80.93,-93.93 ; 63.86,-101 cw(c63.86,-125.14) v1@80.93,-108.07 ; 63.86,-101 ccw(c63.86,-76.86) v1@80.93,-93.93 ; 63.86,-101 cw(c63.86,-125.14) v1@80.93,-108.07